# Altium PCB BMS_Slave V0.1.PcbDoc (part 2 of 2)
Units mil, origin at the board's own origin, x right, y up, seen from the top; angles counter-clockwise.
Board outline 2125.98 x 5196.85 mil, 4 copper layers (Top Layer, Int1 (GND), Int2 (PWR), Bottom Layer), stack 61.418 mil thick; 199 components, 148 nets, 515 pads, 193 vias.
Unrouted connection lines stored in the file: 50.
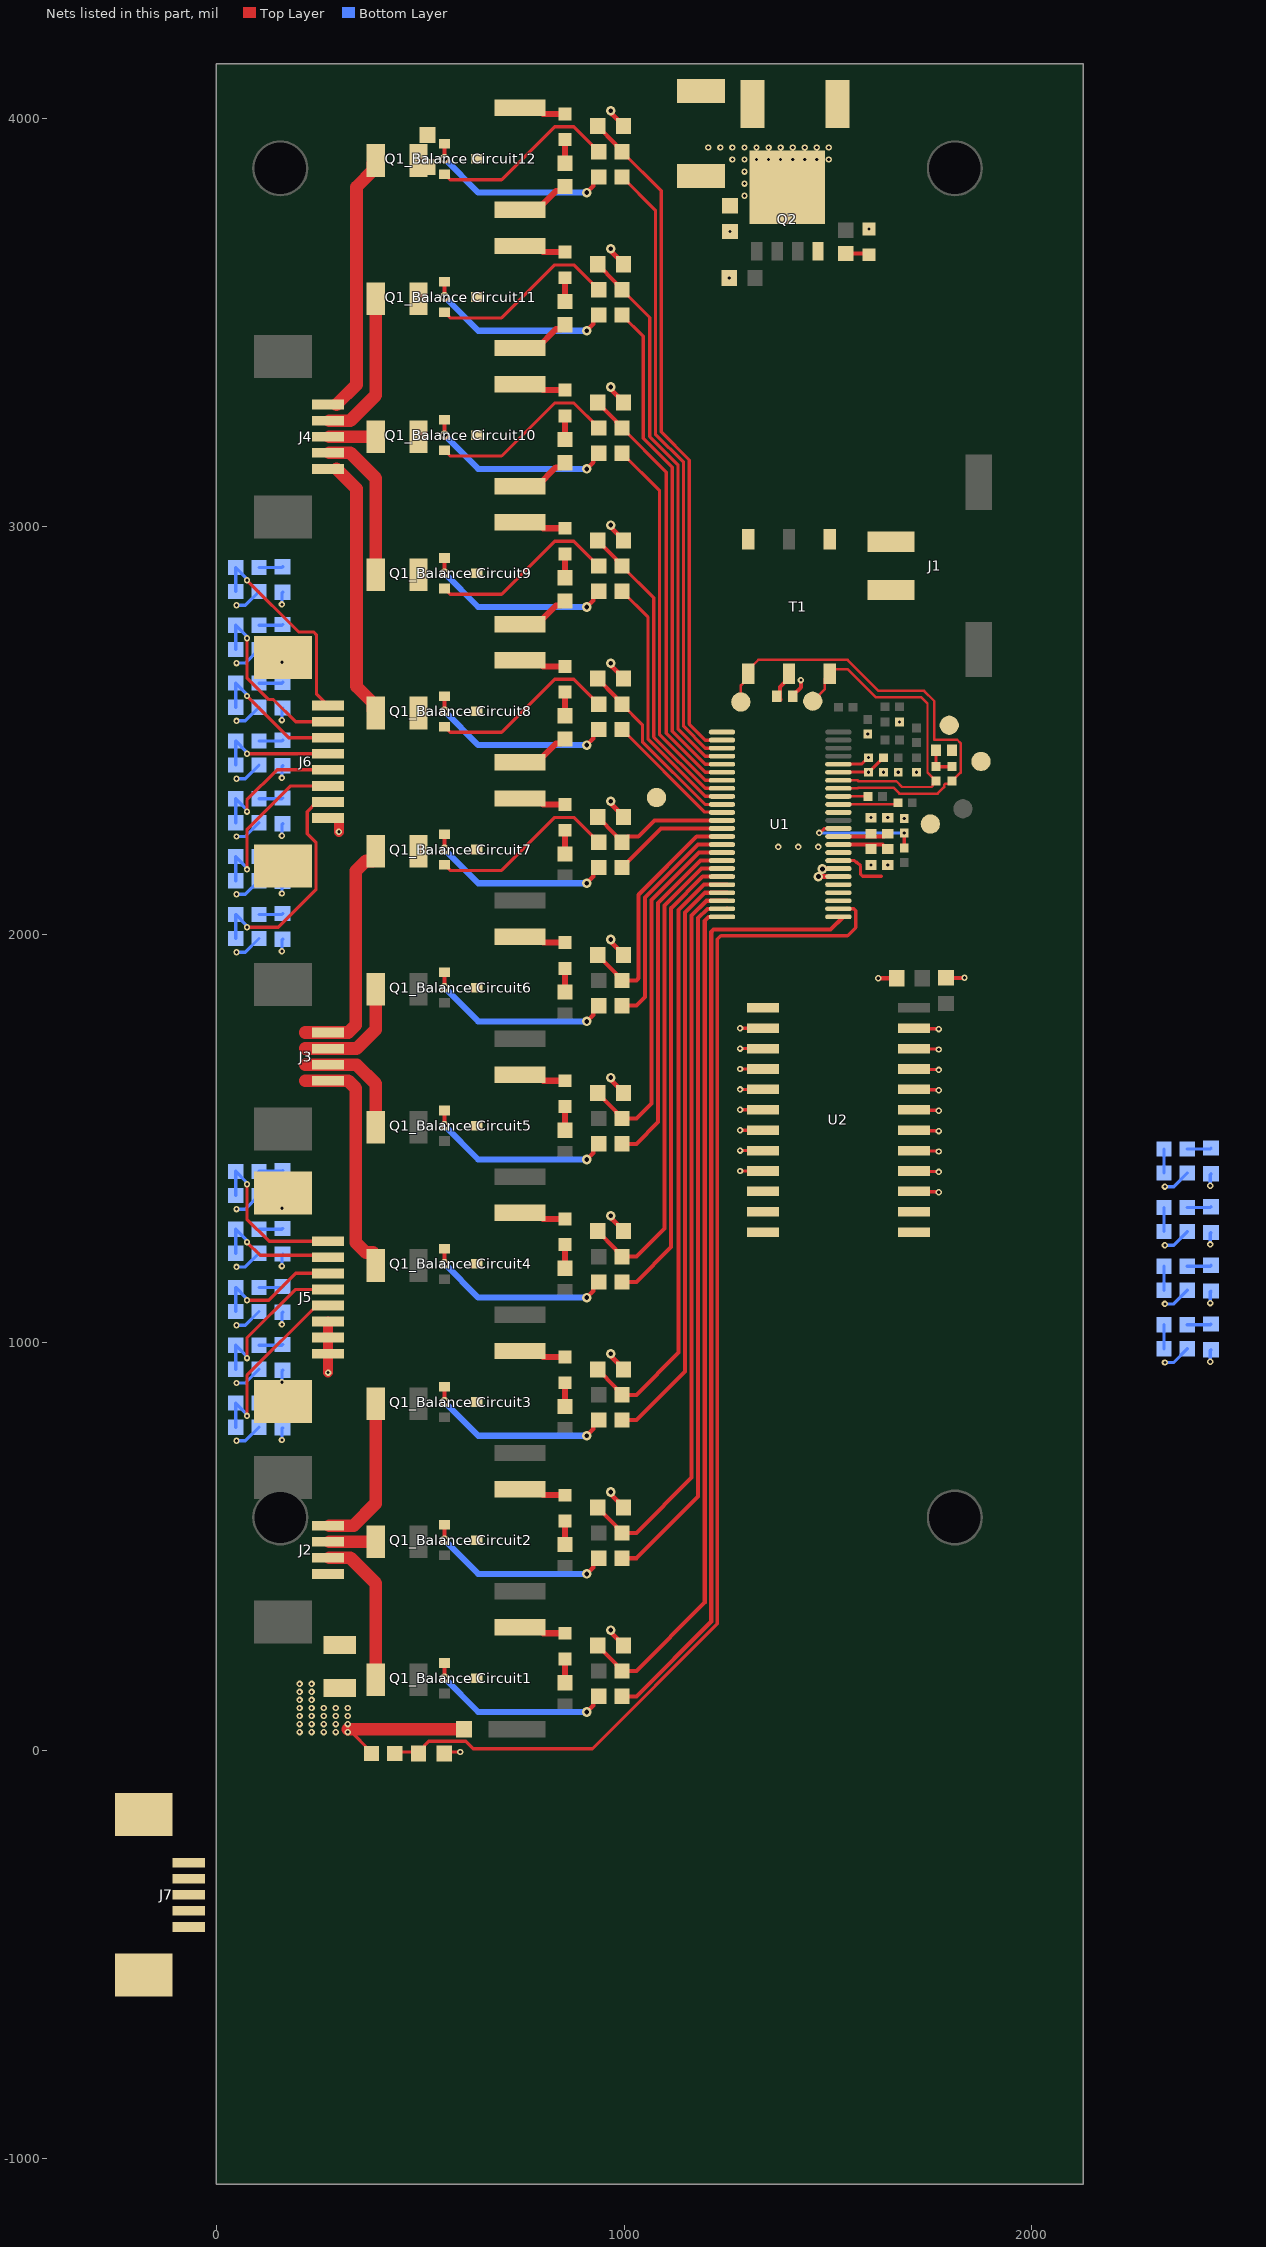
[diagram p4: the nets of this part, all layers, seen from the top]

## Via types
v1: diameter 15.75, hole 7.87, Top Layer to Bottom Layer, tented both sides, 155 vias
v2: diameter 23.62, hole 11.81, Top Layer to Bottom Layer, tented both sides, 38 vias

## Nets (pads, with @x,y where several pads share a name; then routed paths per layer and width w, separated by ;. In a path a pad name is that pad's centre, name@x,y a point inside that pad or via, vN(x,y) a via of type N, cw(c..) or ccw(c..) an arc to the next point about the centre after c; other vN are vias at no path point) (continued)
B8: "F1_Balance Circuit7.2" "Q1_Balance Circuit7.2" "R1_Balance Circuit7.1" "R3_Balance Circuit8.1" "R4_Balance Circuit8.1" | length 596.9
  Top Layer w8: 560.04,2170.87 573.82,2157.09 699.8,2157.09 829.72,2287.01 876.97,2287.01 937.99,2225.98
  Top Layer w15: 744.84,2421.85 787.36,2421.85 833.25,2467.74 844.11,2467.74 855.32,2478.94
B9: "F1_Balance Circuit8.2" "Q1_Balance Circuit8.2" "R1_Balance Circuit8.1" "R3_Balance Circuit9.1" "R4_Balance Circuit9.1" | length 596.9
  Top Layer w8: 560.04,2509.45 573.82,2495.67 699.8,2495.67 829.72,2625.59 876.97,2625.59 937.99,2564.57
  Top Layer w15: 744.84,2760.43 787.36,2760.43 833.25,2806.32 844.11,2806.32 855.32,2817.52
B10: "F1_Balance Circuit9.2" "Q1_Balance Circuit9.2" "R1_Balance Circuit9.1" "R3_Balance Circuit10.1" "R4_Balance Circuit10.1" | length 596.9
  Top Layer w8: 560.04,2848.03 573.82,2834.25 699.8,2834.25 829.72,2964.17 876.97,2964.17 937.99,2903.15
  Top Layer w15: 744.84,3099.02 787.36,3099.02 833.25,3144.9 844.11,3144.9 855.32,3156.1
B11: "F1_Balance Circuit10.2" "Q1_Balance Circuit10.2" "R1_Balance Circuit10.1" "R3_Balance Circuit11.1" "R4_Balance Circuit11.1" | length 596.9
  Top Layer w8: 560.04,3186.61 573.82,3172.83 699.8,3172.83 829.72,3302.76 876.97,3302.76 937.99,3241.73
  Top Layer w15: 744.84,3437.6 787.36,3437.6 833.25,3483.48 844.11,3483.48 855.32,3494.69
B12: "F1_Balance Circuit11.2" "Q1_Balance Circuit11.2" "R1_Balance Circuit11.1" "R3_Balance Circuit12.1" "R4_Balance Circuit12.1" | length 596.9
  Top Layer w8: 560.04,3525.2 573.82,3511.42 699.8,3511.42 829.72,3641.34 876.97,3641.34 937.99,3580.32
  Top Layer w15: 744.84,3776.18 787.36,3776.18 833.25,3822.07 844.11,3822.07 855.32,3833.27
C0: C6.2 R7.2 U1.26 | length 3053.4
  Top Layer w8: R7.2@437.99,-3.94 499.02,-3.94 510.76,7.81 510.76,11.75 521.1,22.09 611.77,22.09 629.92,3.94 922.79,3.94 1228.86,310.01 1228.86,1988.19 1237.48,1996.81 1547.99,1996.81 1568.07,2016.89 1568.07,2058.31 1563.38,2062.99 U1.26@1525.59,2062.99
C1: "C1_Balance Circuit1.2" "R1_Balance Circuit1.2" U1.24 | length 2077
  Top Layer w10: 935.79,257.01 935.79,256.02 980.38,211.43 980.38,209.19 995.08,194.49 1030.12,194.49 1197.86,362.23 1197.86,2033.5 1207.32,2042.96 1239.81,2042.96 U1.24@1240.16,2043.31
C2: "C1_Balance Circuit2.2" "R1_Balance Circuit2.2" U1.22 | length 1793
  Top Layer w10: 935.79,595.59 935.79,594.61 980.38,550.02 980.38,547.77 995.08,533.07 1030.12,533.07 1165.86,668.81 1165.86,2046.75 1201.78,2082.68 U1.22@1251.97,2082.68
C3: "C1_Balance Circuit3.2" "R1_Balance Circuit3.2" U1.20 | length 1497.3
  Top Layer w10: 935.79,934.17 935.79,933.19 980.38,888.6 980.38,886.35 995.08,871.65 1030.12,871.65 1133.86,975.39 1133.86,2060.01 1195.9,2122.05 U1.20@1251.97,2122.05
C4: "C1_Balance Circuit4.2" "R1_Balance Circuit4.2" U1.18 | length 1201.5
  Top Layer w10: 935.79,1272.76 935.79,1271.77 980.38,1227.18 980.38,1224.94 995.08,1210.24 1030.12,1210.24 1099.43,1279.55 1099.43,2070.84 1190.01,2161.42 U1.18@1251.97,2161.42
C5: "C1_Balance Circuit5.2" "R1_Balance Circuit5.2" U1.16 | length 905.7
  Top Layer w10: 935.79,1611.34 935.79,1610.35 980.38,1565.76 980.38,1563.52 995.08,1548.82 1030.12,1548.82 1067.43,1586.13 1067.43,2084.09 1184.13,2200.79 U1.16@1251.97,2200.79
C6: "C1_Balance Circuit6.2" "R1_Balance Circuit6.2" U1.14 | length 610
  Top Layer w10: 935.79,1949.92 935.79,1948.94 980.38,1904.35 980.38,1902.1 995.08,1887.4 1030.12,1887.4 1035.43,1892.72 1035.43,2097.35 1178.24,2240.16 U1.14@1251.97,2240.16
C7: "C1_Balance Circuit7.2" "R1_Balance Circuit7.2" U1.12 | length 366.1
  Top Layer w10: 935.79,2288.5 935.79,2287.52 980.38,2242.93 980.38,2240.69 995.08,2225.98 1008.78,2239.69 1034.96,2239.69 1074.8,2279.53 U1.12@1251.97,2279.53
C8: "C1_Balance Circuit8.2" "R1_Balance Circuit8.2" U1.10 | length 470.5
  Top Layer w8: 995.08,2564.57 1045.06,2514.59 1045.06,2472.38 1198.54,2318.9 U1.10@1251.97,2318.9
  Top Layer w10: 935.79,2627.09 935.79,2626.1 980.38,2581.51 980.38,2579.27 995.08,2564.57
C9: "C1_Balance Circuit9.2" "R1_Balance Circuit9.2" U1.8 | length 769.5
  Top Layer w8: 995.08,2903.15 1073.06,2825.17 1073.06,2483.98 1198.77,2358.27 U1.8@1251.97,2358.27
  Top Layer w10: 935.79,2965.67 935.79,2964.69 980.38,2920.09 980.38,2917.85 995.08,2903.15
C10: "C1_Balance Circuit10.2" "R1_Balance Circuit10.2" U1.6 | length 1068.6
  Top Layer w8: 995.08,3241.73 1103.54,3133.27 1103.54,2493.09 1199,2397.64 U1.6@1251.97,2397.64
  Top Layer w10: 935.79,3304.25 935.79,3303.27 980.38,3258.68 980.38,3256.43 995.08,3241.73
C11: "C1_Balance Circuit11.2" "R1_Balance Circuit11.2" U1.4 | length 1367.7
  Top Layer w8: 995.08,3580.32 1062.99,3512.4 1062.99,3220.59 1132.03,3151.55 1132.03,3151.43 1132.11,3151.35 1132.11,2504.12 1199.22,2437.01 U1.4@1251.97,2437.01
  Top Layer w10: 935.79,3642.83 935.79,3641.85 980.38,3597.26 980.38,3595.02 995.08,3580.32
C12: "C1_Balance Circuit12.2" "R1_Balance Circuit12.2" U1.2 | length 1666.8
  Top Layer w8: 995.08,3918.9 1090.99,3822.99 1090.99,3232.18 1160.11,3163.07 1160.11,2515.72 1199.45,2476.38 U1.2@1251.97,2476.38
  Top Layer w10: 935.79,3981.42 935.79,3980.43 980.38,3935.84 980.38,3933.6 995.08,3918.9
Drive: Q2.4 U1.38
GND: "C1_Balance Circuit1.1" "C1_Balance Circuit2.1" "C1_Balance Circuit3.1" "C1_Balance Circuit4.1" "C1_Balance Circuit5.1" "C1_Balance Circuit6.1" "C1_Balance Circuit7.1" "C1_Balance Circuit8.1" "C1_Balance Circuit9.1" "C1_Balance Circuit10.1" "C1_Balance Circuit11.1" "C1_Balance Circuit12.1" "C13_NTC Sense1.1" "C13_NTC Sense2.1" "C13_NTC Sense3.1" "C13_NTC Sense4.1" "C13_NTC Sense5.1" "C13_NTC Sense6.1" "C13_NTC Sense7.1" "C13_NTC Sense8.1" "C13_NTC Sense9.1" "C13_NTC Sense10.1" "C13_NTC Sense11.1" "C13_NTC Sense12.1" "C13_NTC Sense13.1" "C13_NTC Sense14.1" "C13_NTC Sense15.1" "C13_NTC Sense16.1" C2.1 C3.1 C4.1 C5.1 C6.1 C7.1 C8.1 C9.1 C10.1 C11.2 C12.1 D2.1 F2.2 J5.6 J5.7 J5.8 J5.S1 J5.S2 J6.8 J6.S1 J6.S2 J7.5 J7.S1 J7.S2 NT1.1 R6.1 R7.1 R12.1 R13.1 R14.1 R15.1 R21.2 U1.30 U1.31 U2.12 U2.15 | length 1961
  Top Layer w8: v1@322.84,51.77 cw(c322.84,46.07) 326.87,50.1 R7.1@380.91,-3.94 ; C6.1@559.06,-3.94 v1(598.43,-3.94) ; U2.15@1710.63,1370.28 1711.71,1369.19 1770.57,1369.19 v1(1771.65,1368.11)
  Top Layer w10: C8.1@1413.39,2583.66 1413.39,2585.63 1433.7,2605.94 v1(1433.7,2623.66) ; v1(1623.03,1892.72) C12.1@1668.31,1892.72 ; C11.2@1789.37,1893.7 v1(1834.65,1893.7)
  Top Layer w12: v2(967.52,294.88) 969.74,292.66 969.74,287.03 998.78,257.99 998.78,257.01 ; v2(967.52,633.46) 969.74,631.24 969.74,625.61 998.78,596.57 998.78,595.59 ; v2(967.52,972.05) 969.74,969.82 969.74,964.19 998.78,935.16 998.78,934.17 ; v2(967.52,1310.63) 969.74,1308.41 969.74,1302.78 998.78,1273.74 998.78,1272.76 ; v2(967.52,1649.21) 969.74,1646.99 969.74,1641.36 998.78,1612.32 998.78,1611.34 ; v2(967.52,1987.8) 969.74,1985.57 969.74,1979.94 998.78,1950.91 998.78,1949.92 ; v2(967.52,2326.38) 969.74,2324.15 969.74,2318.52 998.78,2289.49 998.78,2288.5 ; v2(967.52,2664.96) 969.74,2662.74 969.74,2657.11 998.78,2628.07 998.78,2627.09 ; v2(967.52,3003.54) 969.74,3001.32 969.74,2995.69 998.78,2966.65 998.78,2965.67 ; v2(967.52,3342.13) 969.74,3339.9 969.74,3334.27 998.78,3305.24 998.78,3304.25 ; v2(967.52,3680.71) 969.74,3678.49 969.74,3672.86 998.78,3643.82 998.78,3642.83 ; v2(967.52,4019.29) 969.74,4017.07 969.74,4011.44 998.78,3982.4 998.78,3981.42 ; v2(1476.38,2141.73) U1.30@1499.11,2141.73 ; v2(1486.22,2160.43) 1487.2,2161.42 U1.31@1537.4,2161.42
  Top Layer w25: v1(274.61,926.18) J5.8@274.61,972.44 J5.7@274.61,1011.81 J5.6@274.61,1051.18 ; J6.8@274.61,2285.43 300.69,2285.43 301.18,2284.94 v1(301.18,2251.97)
  Top Layer w31.5: v1@322.84,51.77 NT1.1@608.27,51.77
  Bottom Layer w8: v1(161.42,760.83) 161.42,788.39 163.39,790.35 ; v1(161.42,902.56) 161.42,930.12 163.39,932.09 ; v1(161.42,1044.29) 161.42,1071.85 163.39,1073.82 ; v1(161.42,1187.01) 161.42,1214.57 163.39,1216.54 ; v1(161.42,1328.74) 161.42,1356.3 163.39,1358.27 ; v1(161.42,1958.66) 161.42,1986.22 163.39,1988.19 ; v1(161.42,2100.39) 161.42,2127.95 163.39,2129.92 ; v1(161.42,2242.13) 161.42,2269.69 163.39,2271.65 ; v1(161.42,2383.86) 161.42,2411.42 163.39,2413.39 ; v1(161.42,2525.59) 161.42,2553.15 163.39,2555.12 ; v1(161.42,2667.32) 161.42,2694.88 163.39,2696.85 ; v1(161.42,2809.06) 161.42,2836.62 163.39,2838.58 ; v1(2437.01,952.76) 2437.01,980.32 2438.98,982.28 ; v1(2437.01,1096.46) 2437.01,1124.02 2438.98,1125.98 ; v1(2437.01,1240.16) 2437.01,1267.72 2438.98,1269.69 ; v1(2437.01,1383.86) 2437.01,1411.42 2438.98,1413.39
  other v1: 204.72,44.88 234.25,44.88 263.78,44.88 293.31,44.88 322.84,44.88 204.72,64.57 234.25,64.57 263.78,64.57 293.31,64.57 322.84,64.57 204.72,84.25 234.25,84.25 263.78,84.25 293.31,84.25 322.84,84.25 204.72,103.94 234.25,103.94 263.78,103.94 293.31,103.94 322.84,103.94 204.72,123.62 234.25,123.62 204.72,143.31 234.25,143.31 204.72,162.99 234.25,162.99 1605.32,2170.28 1646.65,2170.28 1687.01,2284.45 1605.32,2286.42 1646.65,2286.42 1635.83,2397.64 1672.24,2397.64 1717.19,2397.64 1597.44,2491.14 1675.2,2520.67 1257.87,3609.25 1259.84,3723.43 1600.39,3729.33
GPIO.1: U1.27 U2.10
GPIO.2: U1.28 U2.11
GPIO.3: U1.29 U2.14
GPIO.4: U1.32 U2.13 | length 121.4
  Top Layer w8: U1.32@1537.4,2181.1 1565.01,2181.1 1568.79,2177.32 1570.56,2177.32 1579.88,2168.01 1579.88,2147.25 1584.57,2142.56 1630.68,2142.56
IBIAS: R22.1 TP4.1 U1.44 | length 68.9
  Top Layer w8: U1.44@1537.4,2417.32 1538.13,2418.05 1583.41,2418.05 v1(1599.41,2434.06)
ICMP: R21.1 R22.2 TP5.1 U1.43 | length 113
  Top Layer w8: U1.43@1537.4,2397.64 1537.89,2398.13 R22.2@1598.92,2398.13 ; v1(1599.41,2397.64) 1606.24,2404.47 1607.22,2404.47 1615,2412.24 1615,2412.61 1620.86,2418.47 1621.22,2418.47 R21.1@1635.83,2433.07
ISOMD: R17.1 U1.40 | length 61
  Top Layer w6: U1.40@1537.4,2338.58 R17.1@1598.43,2338.58
isoSPI._N: R20.2 T1.4 TP7.1 U1.41 | length 1147.7
  Top Layer w6: TP7.1@1286.42,2569.88 1286.42,2610.63 1304.53,2628.74 T1.4@1304.53,2638.78 1304.53,2648.82 1328.94,2673.23 1548.22,2673.23 1624.24,2597.21 1735.47,2597.21 1760.83,2571.85 1760.83,2477.36 1816.86,2477.36 1825.01,2469.22 1825.01,2396.86 R20.2@1804.13,2375.98 1797.78,2369.63 1788.11,2369.63 1784.59,2366.12 1784.59,2361.43 1768.63,2345.47 1675.2,2345.47 1660.56,2360.11 1574.72,2360.11 1572.88,2358.27 U1.41@1537.4,2358.27
isoSPI._P: R19.2 T1.6 TP6.1 U1.42 | length 791.2
  Top Layer w6: TP6.1@1462.6,2571.85 1492.57,2601.82 1492.57,2626.82 T1.6@1504.53,2638.78 ; T1.6@1512.8,2650.59 1548.23,2650.59 1617.61,2581.21 1728.84,2581.21 1743.89,2566.16 1743.89,2396.86 R19.2@1764.76,2375.98 1756.94,2368.16 1756.94,2364.99 1753.42,2361.47 1681.82,2361.47 1667.19,2376.11 1574.72,2376.11 1572.88,2377.95 U1.42@1537.4,2377.95
NetC7_2: C7.2 R19.1 R20.1 | length 80.4
  Top Layer w8: C7.2@1756.89,2451.77 C7.2@1757.38,2451.28 ; C7.2@1764.76,2451.77 R19.1@1764.76,2411.42 R20.1@1804.13,2411.42
NetC8_2: C8.2 T1.5 | length 71.7
  Top Layer w10: C8.2@1383.19,2576.38 1382.87,2576.38 1382.87,2607.09 1404.53,2628.74 T1.5@1404.53,2638.78
NetC9_2: C9.2 Q2.5 R23.1
  other v1: 1295.28,3811.02 1295.28,3840.55 1295.28,3870.08 1265.75,3899.61 1295.28,3899.61 1324.8,3899.61 1354.33,3899.61 1383.86,3899.61 1413.39,3899.61 1442.91,3899.61 1472.44,3899.61 1501.97,3899.61 1206.69,3929.13 1236.22,3929.13 1265.75,3929.13 1295.28,3929.13 1324.8,3929.13 1354.33,3929.13 1383.86,3929.13 1413.39,3929.13 1442.91,3929.13 1472.44,3929.13 1501.97,3929.13
"NetD1_Balance Circuit1_1": "D1_Balance Circuit1.1" "R4_Balance Circuit1.2" | length 58.1
  Top Layer w15: 855.32,165.94 855.32,224.02
"NetD1_Balance Circuit1_2": "D1_Balance Circuit1.2" "Q1_Balance Circuit1.3" "R3_Balance Circuit1.2" | length 116.6
  Top Layer w15: 744.84,301.77 787.36,301.77 802.13,287.01 855.32,287.01
"NetD1_Balance Circuit2_1": "D1_Balance Circuit2.1" "R4_Balance Circuit2.2" | length 58.1
  Top Layer w15: 855.32,504.53 855.32,562.6
"NetD1_Balance Circuit2_2": "D1_Balance Circuit2.2" "Q1_Balance Circuit2.3" "R3_Balance Circuit2.2" | length 116.6
  Top Layer w15: 744.84,640.35 787.36,640.35 802.13,625.59 855.32,625.59
"NetD1_Balance Circuit3_1": "D1_Balance Circuit3.1" "R4_Balance Circuit3.2" | length 58.1
  Top Layer w15: 855.32,843.11 855.32,901.18
"NetD1_Balance Circuit3_2": "D1_Balance Circuit3.2" "Q1_Balance Circuit3.3" "R3_Balance Circuit3.2" | length 116.6
  Top Layer w15: 744.84,978.94 787.36,978.94 802.13,964.17 855.32,964.17
"NetD1_Balance Circuit4_1": "D1_Balance Circuit4.1" "R4_Balance Circuit4.2" | length 58.1
  Top Layer w15: 855.32,1181.69 855.32,1239.76
"NetD1_Balance Circuit4_2": "D1_Balance Circuit4.2" "Q1_Balance Circuit4.3" "R3_Balance Circuit4.2" | length 116.6
  Top Layer w15: 744.84,1317.52 787.36,1317.52 802.13,1302.76 855.32,1302.76
"NetD1_Balance Circuit5_1": "D1_Balance Circuit5.1" "R4_Balance Circuit5.2" | length 58.1
  Top Layer w15: 855.32,1520.28 855.32,1578.35
"NetD1_Balance Circuit5_2": "D1_Balance Circuit5.2" "Q1_Balance Circuit5.3" "R3_Balance Circuit5.2" | length 116.6
  Top Layer w15: 744.84,1656.1 787.36,1656.1 802.13,1641.34 855.32,1641.34
"NetD1_Balance Circuit6_1": "D1_Balance Circuit6.1" "R4_Balance Circuit6.2" | length 58.1
  Top Layer w15: 855.32,1858.86 855.32,1916.93
"NetD1_Balance Circuit6_2": "D1_Balance Circuit6.2" "Q1_Balance Circuit6.3" "R3_Balance Circuit6.2" | length 116.6
  Top Layer w15: 744.84,1994.69 787.36,1994.69 802.13,1979.92 855.32,1979.92
"NetD1_Balance Circuit7_1": "D1_Balance Circuit7.1" "R4_Balance Circuit7.2" | length 58.1
  Top Layer w15: 855.32,2197.44 855.32,2255.51
"NetD1_Balance Circuit7_2": "D1_Balance Circuit7.2" "Q1_Balance Circuit7.3" "R3_Balance Circuit7.2" | length 116.6
  Top Layer w15: 744.84,2333.27 787.36,2333.27 802.13,2318.5 855.32,2318.5
"NetD1_Balance Circuit8_1": "D1_Balance Circuit8.1" "R4_Balance Circuit8.2" | length 58.1
  Top Layer w15: 855.32,2536.02 855.32,2594.09
"NetD1_Balance Circuit8_2": "D1_Balance Circuit8.2" "Q1_Balance Circuit8.3" "R3_Balance Circuit8.2" | length 116.6
  Top Layer w15: 744.84,2671.85 787.36,2671.85 802.13,2657.09 855.32,2657.09
"NetD1_Balance Circuit9_1": "D1_Balance Circuit9.1" "R4_Balance Circuit9.2" | length 58.1
  Top Layer w15: 855.32,2874.61 855.32,2932.68
"NetD1_Balance Circuit9_2": "D1_Balance Circuit9.2" "Q1_Balance Circuit9.3" "R3_Balance Circuit9.2" | length 116.6
  Top Layer w15: 744.84,3010.43 787.36,3010.43 802.13,2995.67 855.32,2995.67
"NetD1_Balance Circuit10_1": "D1_Balance Circuit10.1" "R4_Balance Circuit10.2" | length 58.1
  Top Layer w15: 855.32,3213.19 855.32,3271.26
"NetD1_Balance Circuit10_2": "D1_Balance Circuit10.2" "Q1_Balance Circuit10.3" "R3_Balance Circuit10.2" | length 116.6
  Top Layer w15: 744.84,3349.02 787.36,3349.02 802.13,3334.25 855.32,3334.25
"NetD1_Balance Circuit11_1": "D1_Balance Circuit11.1" "R4_Balance Circuit11.2" | length 58.1
  Top Layer w15: 855.32,3551.77 855.32,3609.84
"NetD1_Balance Circuit11_2": "D1_Balance Circuit11.2" "Q1_Balance Circuit11.3" "R3_Balance Circuit11.2" | length 116.6
  Top Layer w15: 744.84,3687.6 787.36,3687.6 802.13,3672.83 855.32,3672.83
"NetD1_Balance Circuit12_1": "D1_Balance Circuit12.1" "R4_Balance Circuit12.2" | length 58.1
  Top Layer w15: 855.32,3890.35 855.32,3948.43
"NetD1_Balance Circuit12_2": "D1_Balance Circuit12.2" "Q1_Balance Circuit12.3" "R3_Balance Circuit12.2" | length 116.6
  Top Layer w15: 744.84,4026.18 787.36,4026.18 802.13,4011.42 855.32,4011.42
NetD2_2: D2.2 R25.1 | length 58.3
  Top Layer w10: R25.1@1543.31,3669.29 1597.44,3669.29 D2.2@1600.39,3666.34
"NetQ1_Balance Circuit1_1": "Q1_Balance Circuit1.1" "R2_Balance Circuit1.1" | length 848.9
  Top Layer w10: v2(560.04,176.77) 560.04,214.17 ; v2(908.46,94.09) 924.58,110.21 924.58,119.07 937.99,132.48
  Bottom Layer w15: 642.72,94.09 906.22,94.09 642.72,94.09 ; 642.72,94.09 v2(560.04,176.77) 642.72,94.09
"NetQ1_Balance Circuit2_1": "Q1_Balance Circuit2.1" "R2_Balance Circuit2.1" | length 848.9
  Top Layer w10: v2(560.04,515.35) 560.04,552.76 ; v2(908.46,432.68) 924.58,448.79 924.58,457.65 937.99,471.06
  Bottom Layer w15: 642.72,432.68 v2(560.04,515.35) 642.72,432.68 ; 642.72,432.68 906.22,432.68 642.72,432.68
"NetQ1_Balance Circuit3_1": "Q1_Balance Circuit3.1" "R2_Balance Circuit3.1" | length 848.9
  Top Layer w10: v2(560.04,853.94) 560.04,891.34 ; v2(908.46,771.26) 924.58,787.37 924.58,796.23 937.99,809.65
  Bottom Layer w15: 642.72,771.26 v2(560.04,853.94) 642.72,771.26 ; 642.72,771.26 906.22,771.26 642.72,771.26
"NetQ1_Balance Circuit4_1": "Q1_Balance Circuit4.1" "R2_Balance Circuit4.1" | length 848.9
  Top Layer w10: v2(560.04,1192.52) 560.04,1229.92 ; v2(908.46,1109.84) 924.58,1125.96 924.58,1134.81 937.99,1148.23
  Bottom Layer w15: 642.72,1109.84 906.22,1109.84 642.72,1109.84 ; 642.72,1109.84 v2(560.04,1192.52) 642.72,1109.84
"NetQ1_Balance Circuit5_1": "Q1_Balance Circuit5.1" "R2_Balance Circuit5.1" | length 848.9
  Top Layer w10: v2(560.04,1531.1) 560.04,1568.5 ; v2(908.46,1448.43) 924.58,1464.54 924.58,1473.4 937.99,1486.81
  Bottom Layer w15: 642.72,1448.43 906.22,1448.43 642.72,1448.43 ; 642.72,1448.43 v2(560.04,1531.1) 642.72,1448.43
"NetQ1_Balance Circuit6_1": "Q1_Balance Circuit6.1" "R2_Balance Circuit6.1" | length 848.9
  Top Layer w10: v2(560.04,1869.69) 560.04,1907.09 ; v2(908.46,1787.01) 924.58,1803.12 924.58,1811.98 937.99,1825.39
  Bottom Layer w15: 642.72,1787.01 906.22,1787.01 642.72,1787.01 ; 642.72,1787.01 v2(560.04,1869.69) 642.72,1787.01
"NetQ1_Balance Circuit7_1": "Q1_Balance Circuit7.1" "R2_Balance Circuit7.1" | length 848.9
  Top Layer w10: v2(560.04,2208.27) 560.04,2245.67 ; v2(908.46,2125.59) 924.58,2141.7 924.58,2150.56 937.99,2163.98
  Bottom Layer w15: 642.72,2125.59 906.22,2125.59 642.72,2125.59 ; 642.72,2125.59 v2(560.04,2208.27) 642.72,2125.59
"NetQ1_Balance Circuit8_1": "Q1_Balance Circuit8.1" "R2_Balance Circuit8.1" | length 848.9
  Top Layer w10: v2(560.04,2546.85) 560.04,2584.25 ; v2(908.46,2464.17) 924.58,2480.29 924.58,2489.15 937.99,2502.56
  Bottom Layer w15: 642.72,2464.17 906.22,2464.17 642.72,2464.17 ; 642.72,2464.17 v2(560.04,2546.85) 642.72,2464.17
"NetQ1_Balance Circuit9_1": "Q1_Balance Circuit9.1" "R2_Balance Circuit9.1" | length 848.9
  Top Layer w10: v2(560.04,2885.43) 560.04,2922.83 ; v2(908.46,2802.76) 924.58,2818.87 924.58,2827.73 937.99,2841.14
  Bottom Layer w15: 642.72,2802.76 v2(560.04,2885.43) 642.72,2802.76 ; 642.72,2802.76 906.22,2802.76 642.72,2802.76
"NetQ1_Balance Circuit10_1": "Q1_Balance Circuit10.1" "R2_Balance Circuit10.1" | length 848.9
  Top Layer w10: v2(560.04,3224.02) 560.04,3261.42 ; v2(908.46,3141.34) 924.58,3157.45 924.58,3166.31 937.99,3179.72
  Bottom Layer w15: 642.72,3141.34 v2(560.04,3224.02) 642.72,3141.34 ; 642.72,3141.34 906.22,3141.34 642.72,3141.34
"NetQ1_Balance Circuit11_1": "Q1_Balance Circuit11.1" "R2_Balance Circuit11.1" | length 848.9
  Top Layer w10: v2(560.04,3562.6) 560.04,3600 ; v2(908.46,3479.92) 924.58,3496.04 924.58,3504.89 937.99,3518.31
  Bottom Layer w15: 642.72,3479.92 v2(560.04,3562.6) 642.72,3479.92 ; 642.72,3479.92 906.22,3479.92 642.72,3479.92
"NetQ1_Balance Circuit12_1": "Q1_Balance Circuit12.1" "R2_Balance Circuit12.1" | length 848.9
  Top Layer w10: v2(560.04,3901.18) 560.04,3938.58 ; v2(908.46,3818.5) 924.58,3834.62 924.58,3843.48 937.99,3856.89
  Bottom Layer w15: 642.72,3818.5 906.22,3818.5 642.72,3818.5 ; 642.72,3818.5 v2(560.04,3901.18) 642.72,3818.5
NetR5_1: R5.1 R6.2 U1.36 | length 309.7
  Top Layer w8: v1(1478.35,2249.02) 1480.44,2249.02 1490.54,2259.11 1536.67,2259.11 U1.36@1537.4,2259.84 ; R5.1@1687.01,2211.61 v1(1687.01,2249.02)
  Bottom Layer w8: v1(1478.35,2249.02) 1685.04,2249.02 v1@1686.52,2250.49
NetR24_1: R24.1 U1.1
NetU1_33: U1.33 U2.1
NTC1: "R26_NTC Sense1.1" "R27_NTC Sense1.2" J5.5 | length 471
  Top Layer w8: v1(75.79,819.88) 75.79,919.09 247.24,1090.55 J5.5@274.61,1090.55
  Bottom Layer w8: 48.23,792.32 48.23,851.38 74.3,825.3 74.3,821.36 v1(75.79,819.88)
NTC2: "R26_NTC Sense2.1" "R27_NTC Sense2.2" J5.4 | length 399.3
  Top Layer w8: v1(75.79,961.61) 75.79,1010.83 194.88,1129.92 J5.4@274.61,1129.92
  Bottom Layer w8: 48.23,934.06 48.23,993.11 74.3,967.03 74.3,963.1 v1(75.79,961.61)
NTC3: "R26_NTC Sense3.1" "R27_NTC Sense3.2" J5.3 | length 328.1
  Top Layer w8: v1(75.79,1103.35) 128.94,1103.35 194.88,1169.29 J5.3@274.61,1169.29
  Bottom Layer w8: 48.23,1075.79 48.23,1134.84 74.3,1108.77 74.3,1104.83 v1(75.79,1103.35)
NTC4: "R26_NTC Sense4.1" "R27_NTC Sense4.2" J5.2 | length 316.3
  Top Layer w8: v1(75.79,1246.06) 108.27,1213.58 269.68,1213.58 J5.2@274.61,1208.66
  Bottom Layer w8: 48.23,1218.5 48.23,1277.56 74.3,1251.48 74.3,1247.55 v1(75.79,1246.06)
NTC5: "R26_NTC Sense5.1" "R27_NTC Sense5.2" J5.1 | length 408.8
  Top Layer w8: v1(75.79,1387.8) 75.79,1302.17 129.92,1248.03 J5.1@274.61,1248.03
  Bottom Layer w8: 48.23,1360.24 48.23,1419.29 74.31,1393.21 74.31,1389.28 v1(75.79,1387.8)
NTC6: "R26_NTC Sense6.1" "R27_NTC Sense6.2" J6.7 | length 570.2
  Top Layer w8: v1(75.79,2017.72) 152.13,2017.72 245.24,2110.82 245.24,2224.61 223.43,2246.43 223.43,2300.98 247.24,2324.8 J6.7@274.61,2324.8
  Bottom Layer w8: 48.23,1990.16 48.23,2049.21 74.31,2023.14 74.31,2019.2 v1(75.79,2017.72)
NTC7: "R26_NTC Sense7.1" "R27_NTC Sense7.2" J6.6 | length 442.7
  Top Layer w8: v1(75.79,2159.45) 75.79,2256.89 183.07,2364.17 J6.6@274.61,2364.17
  Bottom Layer w8: 48.23,2131.89 48.23,2190.95 74.31,2164.87 74.31,2160.93 v1(75.79,2159.45)
NTC8: "R26_NTC Sense8.1" "R27_NTC Sense8.2" J6.5 | length 359.9
  Top Layer w8: v1(75.79,2301.18) 75.79,2329.72 149.61,2403.54 J6.5@274.61,2403.54
  Bottom Layer w8: 48.23,2273.62 48.23,2332.68 74.31,2306.6 74.31,2302.66 v1(75.79,2301.18)
NTC9: "R26_NTC Sense9.1" "R27_NTC Sense9.2" J6.4 | length 300.8
  Top Layer w8: v1(75.79,2442.91) J6.4@274.61,2442.91
  Bottom Layer w8: 48.23,2415.36 48.23,2474.41 74.31,2448.33 74.31,2444.4 v1(75.79,2442.91)
NTC10: "R26_NTC Sense10.1" "R27_NTC Sense10.2" J6.3 | length 343.2
  Top Layer w8: v1(75.79,2584.65) 178.15,2482.28 J6.3@274.61,2482.28
  Bottom Layer w8: 48.23,2557.09 48.23,2616.14 74.31,2590.07 74.31,2586.13 v1(75.79,2584.65)
NTC11: "R26_NTC Sense11.1" "R27_NTC Sense11.2" J6.2 | length 442.3
  Top Layer w8: v1(75.79,2726.38) 75.79,2629.56 129.59,2575.75 140.78,2575.75 194.88,2521.65 J6.2@274.61,2521.65
  Bottom Layer w8: 48.23,2698.82 48.23,2757.88 74.31,2731.8 74.31,2727.86 v1(75.79,2726.38)
NTC12: "R26_NTC Sense12.1" "R27_NTC Sense12.2" J6.1 | length 513.1
  Top Layer w8: v1(75.79,2868.11) 202.4,2741.5 239.38,2741.5 246.06,2734.81 246.06,2589.57 J6.1@274.61,2561.02
  Bottom Layer w8: 48.23,2840.55 48.23,2899.61 74.31,2873.53 74.31,2869.59 v1(75.79,2868.11)
NTC13: "R26_NTC Sense13.1" "R27_NTC Sense13.2" J7.4 | length 59.1
  Bottom Layer w8: 2323.82,984.25 2323.82,1043.31
NTC14: "R26_NTC Sense14.1" "R27_NTC Sense14.2" J7.3 | length 59.1
  Bottom Layer w8: 2323.82,1127.95 2323.82,1187.01
NTC15: "R26_NTC Sense15.1" "R27_NTC Sense15.2" J7.2 | length 59.1
  Bottom Layer w8: 2323.82,1271.65 2323.82,1330.71
NTC16: "R26_NTC Sense16.1" "R27_NTC Sense16.2" J7.1 | length 59.1
  Bottom Layer w8: 2323.82,1415.35 2323.82,1474.41
Out1: "C13_NTC Sense1.2" "R27_NTC Sense1.1" U2.9 | length 114.9
  Top Layer w8: v1(1284.58,1420.28) U2.9@1340.55,1420.28
  Bottom Layer w8: 105.32,851.38 161.42,851.38 163.39,853.35
Out2: "C13_NTC Sense2.2" "R27_NTC Sense2.1" U2.8 | length 114.9
  Top Layer w8: v1(1284.58,1470.28) U2.8@1340.55,1470.28
  Bottom Layer w8: 105.32,993.11 161.42,993.11 163.39,995.08
Out3: "C13_NTC Sense3.2" "R27_NTC Sense3.1" U2.7 | length 114.9
  Top Layer w8: v1(1284.58,1520.28) U2.7@1340.55,1520.28
  Bottom Layer w8: 105.32,1134.84 161.42,1134.84 163.39,1136.81
Out4: "C13_NTC Sense4.2" "R27_NTC Sense4.1" U2.6 | length 114.9
  Top Layer w8: v1(1284.58,1570.28) U2.6@1340.55,1570.28
  Bottom Layer w8: 105.32,1277.56 161.42,1277.56 163.39,1279.53
Out5: "C13_NTC Sense5.2" "R27_NTC Sense5.1" U2.5 | length 114.9
  Top Layer w8: v1(1284.58,1620.28) U2.5@1340.55,1620.28
  Bottom Layer w8: 105.32,1419.29 161.42,1419.29 163.39,1421.26
Out6: "C13_NTC Sense6.2" "R27_NTC Sense6.1" U2.4 | length 114.9
  Top Layer w8: v1(1284.58,1670.28) U2.4@1340.55,1670.28
  Bottom Layer w8: 105.32,2049.21 161.42,2049.21 163.39,2051.18
Out7: "C13_NTC Sense7.2" "R27_NTC Sense7.1" U2.3 | length 114.9
  Top Layer w8: v1(1284.58,1720.28) U2.3@1340.55,1720.28
  Bottom Layer w8: 105.32,2190.95 161.42,2190.95 163.39,2192.91
Out8: "C13_NTC Sense8.2" "R27_NTC Sense8.1" U2.2 | length 114.9
  Top Layer w8: v1(1284.58,1770.28) U2.2@1340.55,1770.28
  Bottom Layer w8: 105.32,2332.68 161.42,2332.68 163.39,2334.65
Out9: "C13_NTC Sense9.2" "R27_NTC Sense9.1" U2.23 | length 120.8
  Top Layer w8: U2.23@1710.63,1770.28 1711.71,1769.19 1770.57,1769.19 v1(1771.65,1768.11)
  Bottom Layer w8: 105.32,2474.41 161.42,2474.41 163.39,2476.38
Out10: "C13_NTC Sense10.2" "R27_NTC Sense10.1" U2.22 | length 120.8
  Top Layer w8: U2.22@1710.63,1720.28 1711.71,1719.19 1770.57,1719.19 v1(1771.65,1718.11)
  Bottom Layer w8: 105.32,2616.14 161.42,2616.14 163.39,2618.11
Out11: "C13_NTC Sense11.2" "R27_NTC Sense11.1" U2.21 | length 120.8
  Top Layer w8: U2.21@1710.63,1670.28 1711.71,1669.19 1770.57,1669.19 v1(1771.65,1668.11)
  Bottom Layer w8: 105.32,2757.88 161.42,2757.88 163.39,2759.84
Out12: "C13_NTC Sense12.2" "R27_NTC Sense12.1" U2.20 | length 120.8
  Top Layer w8: U2.20@1710.63,1620.28 1711.71,1619.19 1770.57,1619.19 v1(1771.65,1618.11)
  Bottom Layer w8: 105.32,2899.61 161.42,2899.61 163.39,2901.58
Out13: "C13_NTC Sense13.2" "R27_NTC Sense13.1" U2.19 | length 120.8
  Top Layer w8: U2.19@1710.63,1570.28 1711.71,1569.19 1770.57,1569.19 v1(1771.65,1568.11)
  Bottom Layer w8: 2380.91,1043.31 2437.01,1043.31 2438.98,1045.28
Out14: "C13_NTC Sense14.2" "R27_NTC Sense14.1" U2.18 | length 120.8
  Top Layer w8: U2.18@1710.63,1520.28 1711.71,1519.19 1770.57,1519.19 v1(1771.65,1518.11)
  Bottom Layer w8: 2380.91,1187.01 2437.01,1187.01 2438.98,1188.98
Out15: "C13_NTC Sense15.2" "R27_NTC Sense15.1" U2.17 | length 120.8
  Top Layer w8: U2.17@1710.63,1470.28 1711.71,1469.19 1770.57,1469.19 v1(1771.65,1468.11)
  Bottom Layer w8: 2380.91,1330.71 2437.01,1330.71 2438.98,1332.68
Out16: "C13_NTC Sense16.2" "R27_NTC Sense16.1" U2.16 | length 120.8
  Top Layer w8: U2.16@1710.63,1420.28 1711.71,1419.19 1770.57,1419.19 v1(1771.65,1418.11)
  Bottom Layer w8: 2380.91,1474.41 2437.01,1474.41 2438.98,1476.38
PORTA_N: J1.1 T1.3
PORTA_P: J1.2 T1.1
S1: "R2_Balance Circuit1.2" U1.25 | length 2323.6
  Top Layer w10: 995.08,132.48 1030.12,132.48 1213.86,316.22 1213.86,2005.95 1219.72,2011.81 1505.91,2011.81 U1.25@1537.4,2043.31
S2: "R2_Balance Circuit2.2" U1.23 | length 1746.5
  Top Layer w10: 995.08,471.06 1030.12,471.06 1181.86,622.8 1181.86,2040.13 1204.38,2062.65 1251.62,2062.65 U1.23@1251.97,2062.99
S3: "R2_Balance Circuit3.2" U1.21 | length 1450.8
  Top Layer w10: 995.08,809.65 1030.12,809.65 1149.61,929.13 1149.61,968.51 1149.86,968.77 1149.86,2053.38 1198.84,2102.36 U1.21@1251.97,2102.36
S4: "R2_Balance Circuit4.2" U1.19 | length 1155
  Top Layer w10: 995.08,1148.23 1030.12,1148.23 1115.43,1233.54 1115.43,2064.21 1192.96,2141.73 U1.19@1251.97,2141.73
S5: "R2_Balance Circuit5.2" U1.17 | length 859.2
  Top Layer w10: 995.08,1486.81 1030.12,1486.81 1083.43,1540.13 1083.43,2077.47 1187.07,2181.1 U1.17@1251.97,2181.1
S6: "R2_Balance Circuit6.2" U1.15 | length 563.5
  Top Layer w10: 995.08,1825.39 1030.12,1825.39 1051.43,1846.71 1051.43,2090.72 1181.19,2220.47 U1.15@1251.97,2220.47
S7: "R2_Balance Circuit7.2" U1.13 | length 296.6
  Top Layer w10: 995.08,2163.98 1090.95,2259.84 U1.13@1251.97,2259.84
S8: "R2_Balance Circuit8.2" U1.11 | length 341.1
  Top Layer w8: 995.11,2502.53 1197.7,2299.94 1251.24,2299.94 U1.11@1251.97,2299.21
S9: "R2_Balance Circuit9.2" U1.9 | length 640.2
  Top Layer w8: 995.08,2841.14 1059.06,2777.17 1059.06,2478.18 1198.65,2338.58 U1.9@1251.97,2338.58
S10: "R2_Balance Circuit10.2" U1.7 | length 939.3
  Top Layer w8: 995.08,3179.72 1087.06,3087.75 1087.06,2489.78 1198.88,2377.95 U1.7@1251.97,2377.95
S11: "R2_Balance Circuit11.2" U1.5 | length 1238.4
  Top Layer w8: 995.08,3518.31 1047.24,3466.14 1047.24,3216.54 1118.03,3145.75 1118.03,2498.4 1199.11,2417.32 U1.5@1251.97,2417.32
S12: "R2_Balance Circuit12.2" U1.3 | length 1537.4
  Top Layer w8: 995.08,3856.89 1076.99,3774.98 1076.99,3226.39 1146.11,3157.27 1146.11,2509.92 1199.34,2456.69 U1.3@1251.97,2456.69
T12: "F1_Balance Circuit12.2" "Q1_Balance Circuit12.2" "R1_Balance Circuit12.1" NT2.1 | length 462.8
  Top Layer w8: 560.04,3863.78 573.82,3850 699.8,3850 829.72,3979.92 876.97,3979.92 937.99,3918.9
VBat: NT2.2 R23.2 R24.2
Vc0: F2.1 J2.4
Vc1: "F1_Balance Circuit1.1" J2.3 | length 376.3
  Top Layer w31.5: J2.3@277.56,472.05 328.74,472.05 391.34,409.45 391.34,172.83
Vc2: "F1_Balance Circuit2.1" J2.2 | length 113.8
  Top Layer w31.5: J2.2@277.56,511.42 391.34,511.42
Vc3: "F1_Balance Circuit3.1" J2.1 | length 380.9
  Top Layer w31.5: J2.1@277.56,550.79 336.61,550.79 391.34,605.51 391.34,850
Vc4: "F1_Balance Circuit4.1" J3.4 | length 588.6
  Top Layer w31.5: 218.5,1641.34 324.07,1641.34 342.52,1622.89 342.52,1245.28 367.13,1220.67 384.65,1220.67 391.34,1213.98 391.34,1196.46
Vc5: "F1_Balance Circuit5.1" J3.3 | length 291.1
  Top Layer w31.5: 218.5,1680.71 344.49,1680.71 391.34,1633.86 391.34,1535.04
Vc6: "F1_Balance Circuit6.1" J3.2 | length 291.1
  Top Layer w31.5: 218.5,1720.08 344.49,1720.08 391.34,1766.93 391.34,1865.75
Vc7: "F1_Balance Circuit7.1" J3.1 | length 588.6
  Top Layer w31.5: 218.5,1759.45 324.07,1759.45 342.52,1777.9 342.52,2155.51 367.13,2180.12 384.65,2180.12 391.34,2186.81 391.34,2204.33
Vc8: "F1_Balance Circuit8.1" J4.5 | length 638.2
  Top Layer w31.5: J4.5@295.4,3141.34 344.01,3092.73 344.01,2607.76 384.65,2567.13 384.65,2549.61 391.34,2542.91
Vc9: "F1_Balance Circuit9.1" J4.4 | length 376.3
  Top Layer w31.5: J4.4@277.56,3180.71 328.74,3180.71 391.34,3118.11 391.34,2881.5
Vc10: "F1_Balance Circuit10.1" J4.3 | length 113.8
  Top Layer w31.5: J4.3@277.56,3220.08 391.34,3220.08
Vc11: "F1_Balance Circuit11.1" J4.2 | length 376.3
  Top Layer w31.5: J4.2@277.56,3259.45 328.74,3259.45 391.34,3322.05 391.34,3558.66
Vc12: "F1_Balance Circuit12.1" J4.1 | length 638.2
  Top Layer w31.5: J4.1@295.4,3298.82 344.01,3347.43 344.01,3832.4 384.65,3873.03 384.65,3890.55 391.34,3897.24
VREF1: C2.2 C3.2 TP1.1 U1.35 | length 112.1
  Top Layer w10: U1.35@1537.4,2240.16 1637.8,2240.16 1644.69,2247.05 C3.2@1646.65,2247.05
VREF2: "R26_NTC Sense1.2" "R26_NTC Sense2.2" "R26_NTC Sense3.2" "R26_NTC Sense4.2" "R26_NTC Sense5.2" "R26_NTC Sense6.2" "R26_NTC Sense7.2" "R26_NTC Sense8.2" "R26_NTC Sense9.2" "R26_NTC Sense10.2" "R26_NTC Sense11.2" "R26_NTC Sense12.2" "R26_NTC Sense13.2" "R26_NTC Sense14.2" "R26_NTC Sense15.2" "R26_NTC Sense16.2" C4.2 C5.2 TP2.1 U1.34 | length 1217.6
  Top Layer w10: U1.34@1537.4,2220.47 1634.09,2220.47 1637.87,2216.69 1637.87,2216.46 1644.69,2209.65 C5.2@1646.65,2209.65
  Bottom Layer w8: v1(50.2,758.86) 71.85,758.86 105.31,792.32 ; v1(50.2,900.59) 71.85,900.59 105.31,934.06 ; v1(50.2,1042.32) 71.85,1042.32 105.31,1075.79 ; v1(50.2,1185.04) 71.85,1185.04 105.31,1218.5 ; v1(50.2,1326.77) 71.85,1326.77 105.32,1360.24 ; v1(50.2,1956.69) 71.85,1956.69 105.32,1990.16 ; v1(50.2,2098.43) 71.85,2098.43 105.32,2131.89 ; v1(50.2,2240.16) 71.85,2240.16 105.32,2273.62 ; v1(50.2,2381.89) 71.85,2381.89 105.32,2415.36 ; v1(50.2,2523.62) 71.85,2523.62 105.32,2557.09 ; v1(50.2,2665.35) 71.85,2665.35 105.32,2698.82 ; v1(50.2,2807.09) 71.85,2807.09 105.32,2840.55 ; v1(2325.79,950.79) 2347.44,950.79 2380.91,984.25 ; v1(2325.79,1094.49) 2347.44,1094.49 2380.91,1127.95 ; v1(2325.79,1238.19) 2347.44,1238.19 2380.91,1271.65 ; v1(2325.79,1381.89) 2347.44,1381.89 2380.91,1415.35
  other v1: 1377.95,2214.57 1427.17,2214.57 1476.38,2214.57
WDT: R16.1 U1.39 | length 135.6
  Top Layer w6: U1.39@1537.4,2318.9 1583.73,2318.9 1583.87,2318.76 1667.18,2318.76 R16.1@1671.26,2322.83
pads on no net: J1.P1 J1.P2 J2.S1 J2.S2 J3.S1 J3.S2 J4.S1 J4.S2 T1. T1.2

## Polygon pours and split planes (outlines as drawn)
NetC9_2 on Top Layer (solid, remove dead copper, pour order 66): 1305.12,3742.13 1501.97,3742.13 1501.97,3761.81 1521.65,3781.5 1521.65,3948.82 1189.96,3948.82 1129.92,3888.78 1129.92,3829.72 1234.25,3829.72 1234.25,3761.81 1305.12,3761.81
VBat on Top Layer "NONET_L-01_P-001" (solid, remove dead copper, pour order 64): 1044.29,3963.58 1354.33,3963.58 1354.33,4133.86 499.02,4133.86 499.02,3963.58 538.39,3963.58 538.39,4006.89 592.91,4006.89 640.75,4054.72 1044.29,4054.72
VREF2 on Top Layer "NONET_L-01_P-001" (solid, remove dead copper, pour order 63): 1348.43,2194.88 1555.12,2194.88 1555.12,2234.25 1348.43,2234.25
"NetD1_Balance Circuit8_2" on Top Layer "NONET_L-01_P-001" (solid, remove dead copper, pour order 29): 613.19,2531.1 707.68,2531.1 810.04,2633.46 810.04,2700.39 640.75,2700.39 613.19,2672.83
B3 on Top Layer "NONET_L-01_P-001" (solid, remove dead copper, pour order 44): 471.46,554.72 471.46,464.17 573.82,464.17 573.82,491.73 558.07,491.73 538.39,511.42 538.39,554.72
B10 on Top Layer "NONET_L-01_P-001" (solid, remove dead copper, pour order 45): 471.46,2924.8 471.46,2834.25 573.82,2834.25 573.82,2861.81 558.07,2861.81 538.39,2881.5 538.39,2924.8
B9 on Top Layer "NONET_L-01_P-001" (solid, remove dead copper, pour order 47): 471.46,2586.22 471.46,2495.67 573.82,2495.67 573.82,2523.23 558.07,2523.23 538.39,2542.91 538.39,2586.22
B11 on Top Layer "NONET_L-01_P-001" (solid, remove dead copper, pour order 50): 810.04,3460.24 810.04,3377.56 640.75,3377.56 538.39,3275.2 538.39,3263.39 471.46,3263.39 471.46,3365.75 565.95,3460.24
B3 on Top Layer "NONET_L-01_P-001" (solid, remove dead copper, pour order 53): 810.04,751.57 810.04,668.9 640.75,668.9 538.39,566.54 538.39,554.72 471.46,554.72 471.46,657.09 565.95,751.57
B5 on Top Layer "NONET_L-01_P-001" (solid, remove dead copper, pour order 54): 810.04,1428.74 810.04,1346.06 640.75,1346.06 538.39,1243.7 538.39,1231.89 471.46,1231.89 471.46,1334.25 565.95,1428.74
B7 on Top Layer "NONET_L-01_P-001" (solid, remove dead copper, pour order 56): 810.04,2105.91 810.04,2023.23 640.75,2023.23 538.39,1920.87 538.39,1909.06 471.46,1909.06 471.46,2011.42 565.95,2105.91
B10 on Top Layer "NONET_L-01_P-001" (solid, remove dead copper, pour order 57): 810.04,3121.65 810.04,3038.98 640.75,3038.98 538.39,2936.61 538.39,2924.8 471.46,2924.8 471.46,3027.17 565.95,3121.65
B8 on Top Layer "NONET_L-01_P-001" (solid, remove dead copper, pour order 60): 810.04,2444.49 810.04,2361.81 640.75,2361.81 538.39,2259.45 538.39,2247.64 471.46,2247.64 471.46,2350 565.95,2444.49
"NetD1_Balance Circuit11_2" on Top Layer "NONET_L-01_P-001" (solid, remove dead copper, pour order 37): 613.19,3546.85 707.68,3546.85 810.04,3649.21 810.04,3716.14 640.75,3716.14 613.19,3688.58
"NetD1_Balance Circuit9_2" on Top Layer "NONET_L-01_P-001" (solid, remove dead copper, pour order 36): 613.19,2869.69 707.68,2869.69 810.04,2972.05 810.04,3038.98 640.75,3038.98 613.19,3011.42
"NetD1_Balance Circuit1_2" on Top Layer "NONET_L-01_P-001" (solid, remove dead copper, pour order 35): 613.19,161.02 707.68,161.02 810.04,263.39 810.04,330.31 640.75,330.31 613.19,302.76
"NetD1_Balance Circuit3_2" on Top Layer "NONET_L-01_P-001" (solid, remove dead copper, pour order 34): 613.19,838.19 707.68,838.19 810.04,940.55 810.04,1007.48 640.75,1007.48 613.19,979.92
"NetD1_Balance Circuit6_2" on Top Layer "NONET_L-01_P-001" (solid, remove dead copper, pour order 33): 613.19,1853.94 707.68,1853.94 810.04,1956.3 810.04,2023.23 640.75,2023.23 613.19,1995.67
"NetD1_Balance Circuit4_2" on Top Layer "NONET_L-01_P-001" (solid, remove dead copper, pour order 32): 613.19,1176.77 707.68,1176.77 810.04,1279.13 810.04,1346.06 640.75,1346.06 613.19,1318.5
"NetD1_Balance Circuit5_2" on Top Layer "NONET_L-01_P-001" (solid, remove dead copper, pour order 31): 613.19,1515.35 707.68,1515.35 810.04,1617.72 810.04,1684.65 640.75,1684.65 613.19,1657.09
"NetD1_Balance Circuit10_2" on Top Layer "NONET_L-01_P-001" (solid, remove dead copper, pour order 30): 613.19,3208.27 707.68,3208.27 810.04,3310.63 810.04,3377.56 640.75,3377.56 613.19,3350
"NetD1_Balance Circuit2_2" on Top Layer "NONET_L-01_P-001" (solid, remove dead copper, pour order 28): 613.19,499.61 707.68,499.61 810.04,601.97 810.04,668.9 640.75,668.9 613.19,641.34
"NetD1_Balance Circuit7_2" on Top Layer "NONET_L-01_P-001" (solid, remove dead copper, pour order 27): 613.19,2192.52 707.68,2192.52 810.04,2294.88 810.04,2361.81 640.75,2361.81 613.19,2334.25
"NetD1_Balance Circuit12_2" on Top Layer "NONET_L-01_P-001" (solid, remove dead copper, pour order 26): 613.19,3885.43 707.68,3885.43 810.04,3987.8 810.04,4054.72 640.75,4054.72 613.19,4027.17
B11 on Top Layer "NONET_L-01_P-001" (solid, remove dead copper, pour order 49): 471.46,3263.39 471.46,3172.83 573.82,3172.83 573.82,3200.39 558.07,3200.39 538.39,3220.08 538.39,3263.39
B6 on Top Layer "NONET_L-01_P-001" (solid, remove dead copper, pour order 48): 471.46,1570.47 471.46,1479.92 573.82,1479.92 573.82,1507.48 558.07,1507.48 538.39,1527.17 538.39,1570.47
T12 on Top Layer "NONET_L-01_P-001" (solid, remove dead copper, pour order 46): 471.46,3940.55 471.46,3850 573.82,3850 573.82,3877.56 558.07,3877.56 538.39,3897.24 538.39,3940.55
B2 on Top Layer "NONET_L-01_P-001" (solid, remove dead copper, pour order 43): 471.46,216.14 471.46,125.59 573.82,125.59 573.82,153.15 558.07,153.15 538.39,172.83 538.39,216.14
B8 on Top Layer "NONET_L-01_P-001" (solid, remove dead copper, pour order 42): 471.46,2247.64 471.46,2157.09 573.82,2157.09 573.82,2184.65 558.07,2184.65 538.39,2204.33 538.39,2247.64
B7 on Top Layer "NONET_L-01_P-001" (solid, remove dead copper, pour order 41): 471.46,1909.06 471.46,1818.5 573.82,1818.5 573.82,1846.06 558.07,1846.06 538.39,1865.75 538.39,1909.06
B12 on Top Layer "NONET_L-01_P-001" (solid, remove dead copper, pour order 40): 471.46,3601.97 471.46,3511.42 573.82,3511.42 573.82,3538.98 558.07,3538.98 538.39,3558.66 538.39,3601.97
B4 on Top Layer "NONET_L-01_P-001" (solid, remove dead copper, pour order 39): 471.46,893.31 471.46,802.76 573.82,802.76 573.82,830.31 558.07,830.31 538.39,850 538.39,893.31
B5 on Top Layer "NONET_L-01_P-001" (solid, remove dead copper, pour order 38): 471.46,1231.89 471.46,1141.34 573.82,1141.34 573.82,1168.9 558.07,1168.9 538.39,1188.58 538.39,1231.89
B6 on Top Layer "NONET_L-01_P-001" (solid, remove dead copper, pour order 59): 810.04,1767.32 810.04,1684.65 640.75,1684.65 538.39,1582.28 538.39,1570.47 471.46,1570.47 471.46,1672.83 565.95,1767.32
B12 on Top Layer "NONET_L-01_P-001" (solid, remove dead copper, pour order 58): 810.04,3798.82 810.04,3716.14 640.75,3716.14 538.39,3613.78 538.39,3601.97 471.46,3601.97 471.46,3704.33 565.95,3798.82
B9 on Top Layer "NONET_L-01_P-001" (solid, remove dead copper, pour order 55): 810.04,2783.07 810.04,2700.39 640.75,2700.39 538.39,2598.03 538.39,2586.22 471.46,2586.22 471.46,2688.58 565.95,2783.07
B4 on Top Layer "NONET_L-01_P-001" (solid, remove dead copper, pour order 52): 810.04,1090.16 810.04,1007.48 640.75,1007.48 538.39,905.12 538.39,893.31 471.46,893.31 471.46,995.67 565.95,1090.16
B2 on Top Layer "NONET_L-01_P-001" (solid, remove dead copper, pour order 51): 810.04,412.99 810.04,330.31 640.75,330.31 538.39,227.95 538.39,216.14 471.46,216.14 471.46,318.5 565.95,412.99
Vc0 on Top Layer "NONET_L-01_P-001" (solid, remove dead copper, pour order 61): 244.09,450.39 244.09,231.89 352.36,231.89 352.36,450.39
GND on Top Layer "NONET_L-01_P-001" (solid, remove dead copper, pour order 62): 185.04,186.02 352.36,186.02 352.36,28.54 185.04,28.54
5V0 on Top Layer "NONET_L-01_P-001" (solid, pour order 24): 1312.01,3696.85 1312.01,3638.78 1302.17,3628.94 1302.17,3589.57 1438.98,3589.57 1438.98,3696.85
GND on Int1 (GND) (split plane): 2105.89,-1042.9 20.1,-1042.9 20.1,4113.76 2105.89,4113.76
VREF2 on Int2 (PWR) (split plane): 1021.61,2440.94 1021.77,2440.18 1022.2,2439.53 1219.05,2242.68 1219.7,2242.24 1220.47,2242.09 1554.29,2242.09 1572.8,2223.58 1572.8,2205.56 1554.29,2187.05 1220.47,2187.05 1219.7,2186.89 1219.05,2186.46 1022.2,1989.61 1021.77,1988.96 1021.61,1988.19 1021.61,788.23 937.22,703.83 20.1,703.83 20.1,4113.76 1021.61,4113.76
5V0 on Int2 (PWR) (split plane): 2105.89,-1042.9 20.1,-1042.9 20.1,699.82 938.05,699.82 938.82,699.97 939.47,700.41 1025.04,785.98 1025.48,786.63 1025.63,787.4 1025.63,1987.36 1221.3,2183.03 1555.12,2183.03 1555.89,2183.19 1556.54,2183.62 1576.22,2203.31 1576.66,2203.96 1576.81,2204.72 1576.81,2224.41 1576.66,2225.18 1576.22,2225.83 1556.54,2245.51 1555.89,2245.95 1555.12,2246.1 1221.3,2246.1 1025.63,2441.78 1025.63,4113.76 2105.89,4113.76

## Other copper
Int2 (PWR) (plane layer: these items are gaps in the copper):
  lines w3.94: 4.49,701.83 938.05,701.83 1023.62,787.4 1023.62,1988.19 1220.47,2185.04 1555.12,2185.04 1574.8,2204.72 1574.8,2224.41 1555.12,2244.09 1220.47,2244.09 1023.62,2440.94 1023.62,4114.17

## Silkscreen, mask and mechanical layers (free items; w line width, h text height)
Top Overlay:
  text "ASK DAN / - Routing Thermistor ADC undernearth balance circuit / - Routing sense and gate drive so close to eachother / - Differential routing" at 2588.58,3996.06 h118.11
  text ".ProjectTitle / .Version" at 1259.84,23.62 h118.11
Mechanical Aid:
  lines w3.94: -374.02,-413.39 -374.02,9421.26 -7.87,9421.26
  lines w7.87: -374.02,-413.39 9488.19,-413.39 9488.19,9421.26 -7.87,9421.26 ; 10767.72,6588.58 cw(c10767.72,6958.66) 10767.72,7328.74 10767.72,7415.35 cw(c10767.72,7785.43) 10767.72,8155.51 10767.72,8242.13 cw(c10767.72,8612.2) 10767.72,8982.28 10767.72,9068.9 cw(c10767.72,9438.98) 10767.72,9809.05 10767.72,9895.67 cw(c10767.72,10265.75) 10767.72,10635.83 10767.72,10722.44 cw(c10767.72,11092.52) 10767.72,11462.6 10767.72,11549.21 cw(c10767.72,11919.29) 10767.72,12289.37 10767.72,12375.98 cw(c10767.72,12746.06) 10767.72,13116.14 10767.72,13202.76 cw(c10767.72,13572.83) 10767.72,13942.91 10767.72,14029.53 cw(c10767.72,14399.61) 10767.72,14769.69 10767.72,14856.3 cw(c10767.72,15226.38) 10767.72,15596.46 10767.72,15683.07 cw(c10767.72,16053.15) 10767.72,16423.23
Board Shape:
  the board outline again, w3.94

## Text inside footprints (layer, text, board x,y; h text height)
aaa: Top Overlay "TRACTIVE / VOLTAGE" at 7281.5,2497.05 h118.11